# Altium PCB CU-ON-OFF-V2-08-11-18.PcbDoc (part 4 of 14)
Units mm, origin at the board's own origin, x right, y up, seen from the top; angles counter-clockwise.
Board outline 213 x 122.62 mm, 2 copper layers (Top Layer, Bottom Layer); 304 components, 53 nets, 991 pads, 702 vias.
Unrouted connection lines stored in the file: 1.
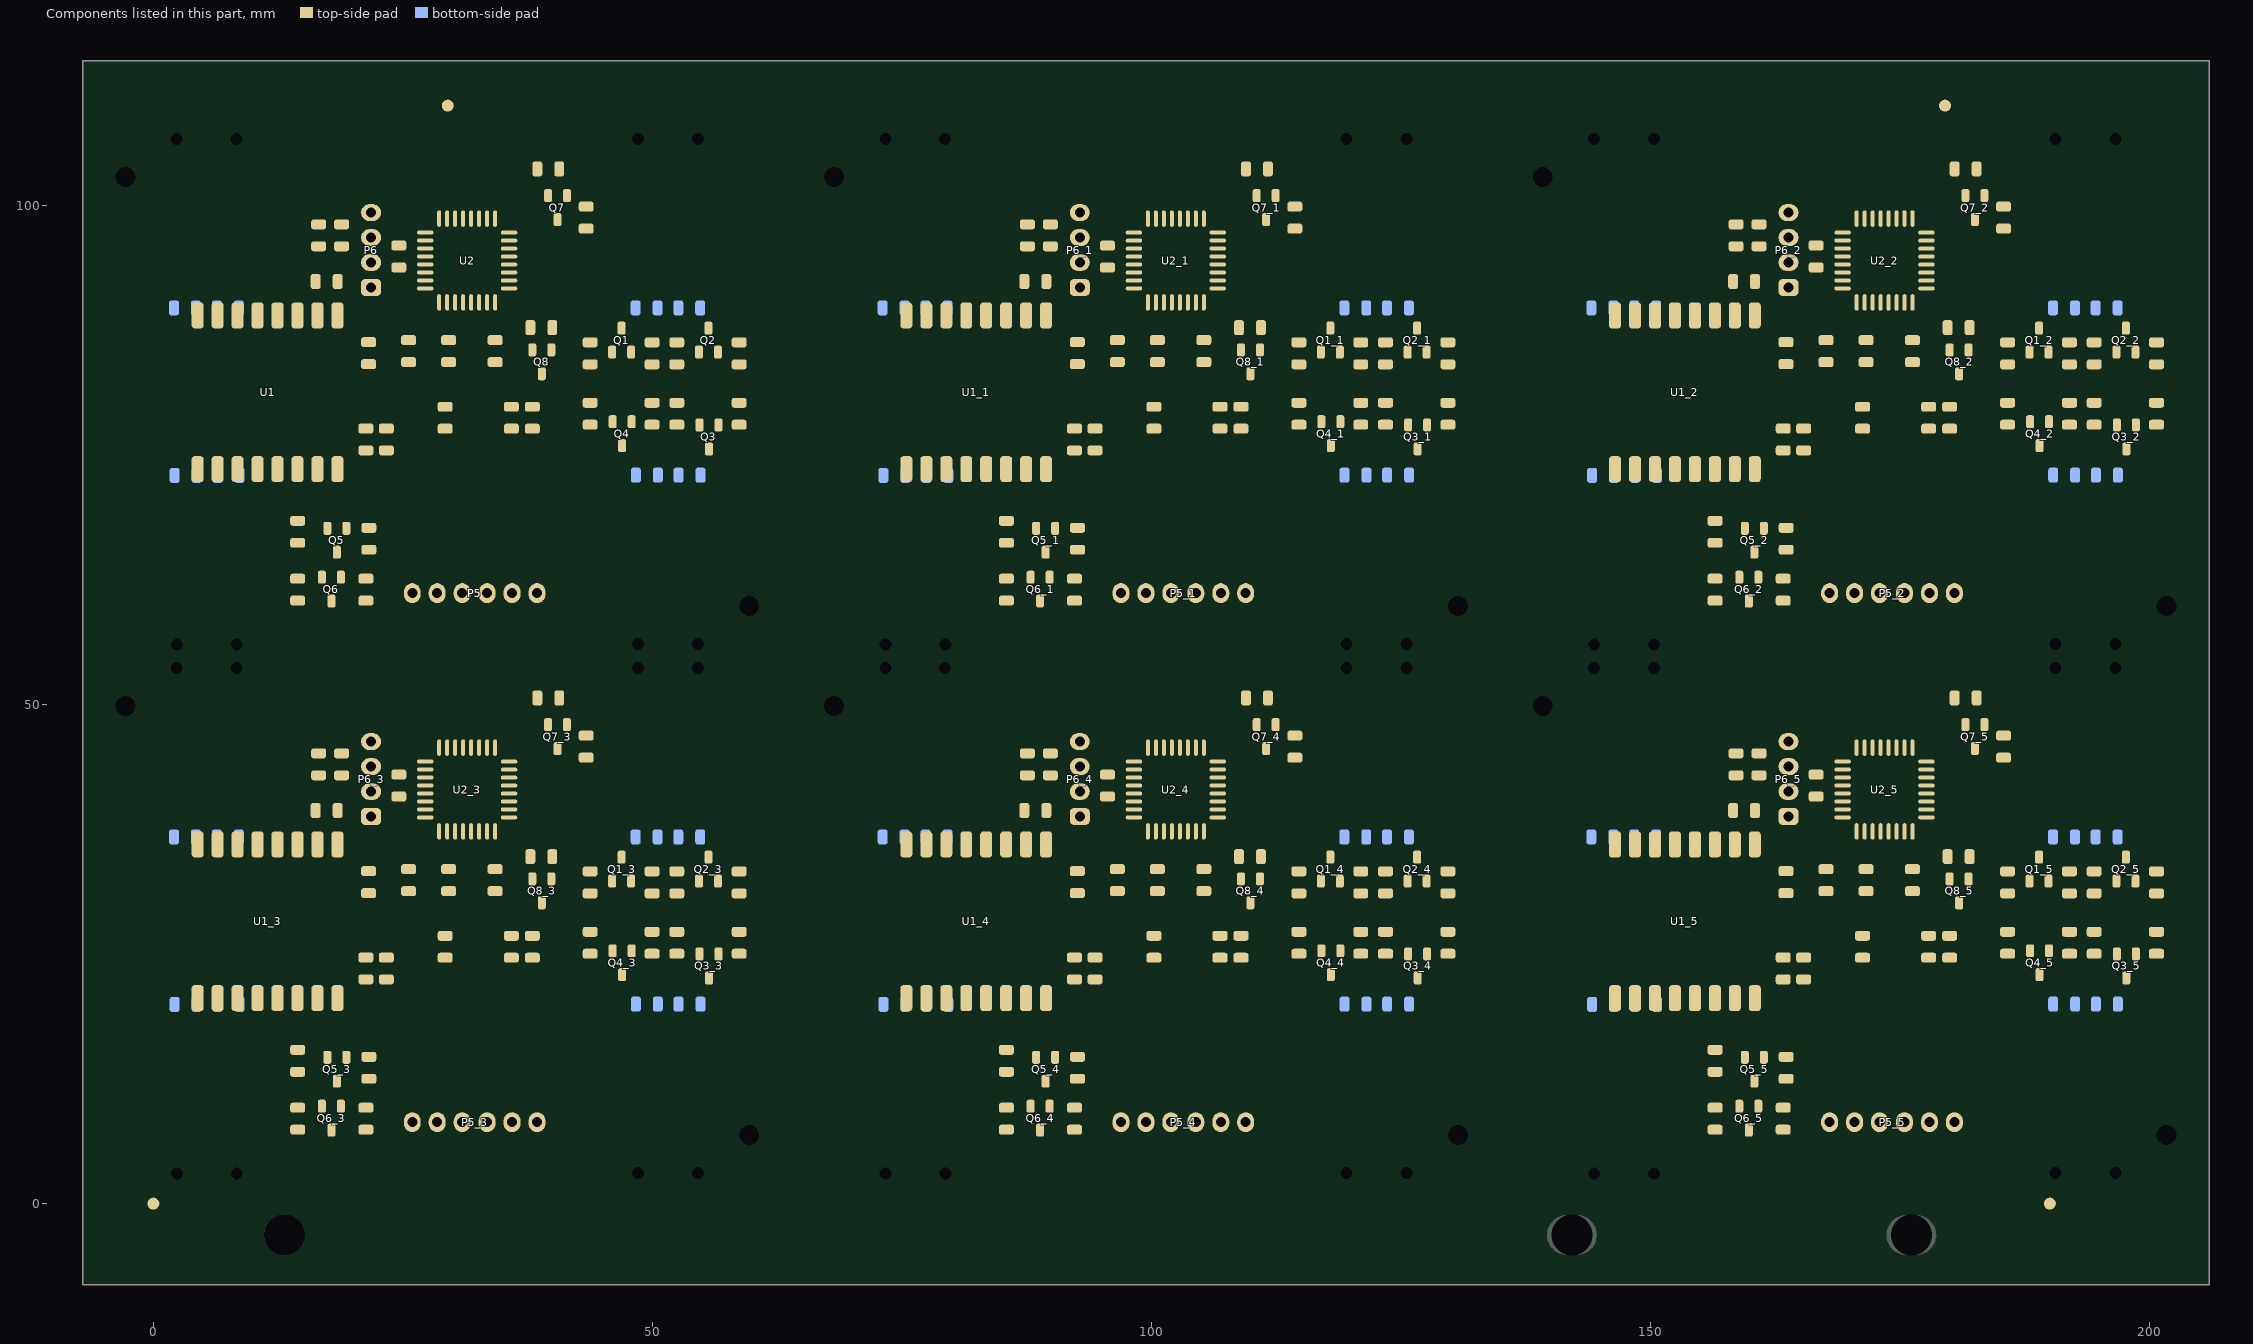
[diagram p4: the components of this part, seen from the top]

## Via types
v1: diameter 0.8, hole 0.5, Top Layer to Bottom Layer, 702 vias

## Nets (pads, with @x,y where several pads share a name; then routed paths per layer and width w, separated by ;. In a path a pad name is that pad's centre, name@x,y a point inside that pad or via, vN(x,y) a via of type N, cw(c..) or ccw(c..) an arc to the next point about the centre after c; other vN are vias at no path point) (continued)
copper on no net: (continued)
  Top Layer w0.4: v1@46.044,26.758 cw(c46.284,26.822) v1@46.131,27.018 ; 46.045,25.956 cw(c46.32,26.029) v1@46.137,26.247 ; 46.716,34.207 ccw(c46.837,34.328) 46.837,34.157 v1@47.816,34.157 ; 46.716,35.057 46.716,35.307 cw(c46.776,35.247) 46.776,35.332 v1@47.791,35.332 ; 46.716,87.206 ccw(c46.837,87.327) 46.837,87.156 47.816,87.156 ; 46.716,88.056 46.716,88.306 cw(c46.776,88.246) 46.776,88.331 47.791,88.331 ; 46.782,34.808 ccw(c47.13,35.195) 47.498,34.827 ; 46.791,23.182 50.545,23.182 ccw(c50.545,23.353) 50.666,23.232 ccw(c50.304,22.87) 50.304,23.382 46.966,23.382 ; 46.791,76.181 50.545,76.181 ccw(c50.545,76.352) 50.666,76.231 ccw(c50.304,75.869) 50.304,76.381 46.966,76.381 ; v1@46.917,20.984 ccw(c46.575,20.642) 46.575,21.125 ccw(c46.575,21.608) v1@46.917,21.266 ; 46.966,22.932 50.39,22.932 v1(50.458,23) ; 47.05,35.106 ccw(c47.413,35.508) v1(47.796,35.125) 47.378,34.707 ; v1(47.058,21.125) 46.073,21.125 43.766,23.432 ; 47.062,34.57 cw(c47.378,34.274) 47.378,34.707 ; 47.062,34.844 ccw(c47.378,35.141) 47.378,34.707 ; 47.091,22.507 47.106,22.507 cw(c47.106,22.422) 47.166,22.482 49.155,22.482 cw(c49.155,20.946) v1@50.241,22.032 ; 47.091,75.506 47.106,75.506 cw(c47.106,75.421) 47.166,75.481 49.155,75.481 cw(c49.155,73.945) 50.241,75.031 ; 47.107,22.791 cw(c47.449,22.449) 47.449,22.932 cw(c47.449,23.415) 47.107,23.073 ; 47.21,34.661 ccw(c46.791,35.387) v1@47.602,35.176 ; 47.291,22.682 49.623,22.682 cw(c49.623,21.914) v1@50.166,22.457 ; 47.291,75.681 49.623,75.681 cw(c49.623,74.913) 50.166,75.456 ; 47.443,34.796 ccw(c47.288,35.066) v1@47.597,35.102 ; 47.486,34.707 ccw(c47.486,35.237) v1@47.984,35.057 ; 47.548,34.707 cw(c47.548,34.233) v1@47.977,34.436 ; v1@47.596,35.125 cw(c47.113,35.125) 47.455,34.784 cw(c47.796,34.442) v1@47.796,34.925 ; v1@47.608,35.193 cw(c46.916,35.442) 46.916,34.707 ; v1@47.615,34.264 ccw(c46.916,33.933) 46.916,34.707 ; v1@47.717,30.516 ccw(c47.356,30.877) v1@47.866,30.877 ; v1@47.717,31.009 cw(c47.356,30.648) v1@47.866,30.648 ; v1@47.717,31.291 ccw(c47.356,31.652) 47.866,31.652 ; 47.725,31.916 cw(c47.383,31.574) 47.866,31.574 cw(c48.349,31.574) 48.007,31.916 ; 47.741,25.032 47.741,24.817 cw(c47.656,24.817) 47.716,24.757 ccw(c47.776,24.817) 47.776,24.732 49.741,24.732 ; 47.741,78.031 47.741,77.816 cw(c47.656,77.816) 47.716,77.756 ccw(c47.776,77.816) 47.776,77.731 49.741,77.731 ; v1@47.866,30.686 cw(c48.322,30.686) v1@47.999,31.009 ; v1@47.866,30.839 ccw(c48.322,30.839) v1@47.999,30.516 ; 47.866,31.614 ccw(c48.322,31.614) v1@47.999,31.291 ; v1@47.894,30.792 ccw(c48.134,30.728) v1@47.981,30.533 ; 47.916,25.332 49.666,25.332 ; 48.057,25.191 cw(c48.399,24.849) 48.399,25.332 cw(c48.399,25.815) 48.057,25.473 ; 48.101,78.005 49.382,78.005 cw(c49.382,77.922) 49.441,77.981 ; 48.166,25.757 ccw(c49.192,26.783) 49.192,25.332 49.666,25.332 ; 48.166,78.756 ccw(c49.192,79.782) 49.192,78.331 49.666,78.331 ; 48.182,41.644 cw(c48.558,41.269) v1@48.558,41.8 ; 48.231,41.693 ccw(c47.923,42) v1@48.358,42 ; 48.268,25.332 cw(c48.268,23.584) 49.504,24.82 ; 48.391,29.1 48.404,29.1 ccw(c48.404,30.319) 49.266,29.457 ccw(c48.904,29.819) 49.416,29.819 49.416,31.107 ; 48.391,82.099 48.404,82.099 ccw(c48.404,83.318) 49.266,82.456 ccw(c48.904,82.818) 49.416,82.818 49.416,84.106 ; 48.586,25.247 ccw(c48.48,24.852) 48.101,25.006 49.382,25.006 cw(c49.382,24.923) 49.441,24.982 ; v1(48.695,27.139) 48.788,27.232 49.966,27.232 ; v1@48.795,27.312 ccw(c49.013,27.69) 49.126,27.268 ; v1@48.836,26.997 cw(c49.403,26.43) 49.403,27.232 ; v1@48.868,27.039 cw(c49.326,26.774) 49.189,27.285 ; 49.233,25.332 cw(c49.233,24.549) 49.787,25.103 ; v1@49.316,34.357 cw(c49.075,34.116) 49.416,34.116 49.416,33.382 ; 49.316,87.356 cw(c49.075,87.115) 49.416,87.115 49.416,86.381 ; v1@49.454,34.322 cw(c48.528,33.222) 49.966,33.222 ; 49.504,27.02 ccw(c48.992,26.508) 48.992,27.232 ccw(c48.992,27.956) 49.504,27.444 ; v1@49.505,34.291 ccw(c49.711,34.777) v1@50.174,34.525 ; v1@49.508,15.425 ccw(c49.025,15.425) 49.367,15.766 ccw(c49.708,16.108) v1@49.708,15.625 ; v1@49.583,34.275 cw(c49.583,33.792) 49.924,34.134 cw(c50.266,34.475) v1@49.783,34.475 ; v1(49.583,34.475) 49.966,34.092 49.966,33.282 ; v1@49.676,15.228 cw(c49.581,14.642) v1@50.095,14.938 ; v1@49.708,15.225 cw(c49.708,14.742) 50.049,15.084 cw(c50.391,15.425) v1@49.908,15.425 ; v1@49.712,34.628 cw(c49.252,34.082) 49.966,34.082 ; 49.754,30.87 cw(c49.242,30.358) 49.966,30.358 cw(c50.69,30.358) 50.178,30.87 ; 49.754,33.494 ccw(c49.242,34.006) 49.966,34.006 ccw(c50.69,34.006) 50.178,33.494 ; 49.811,22.932 ccw(c49.811,23.647) v1@50.317,23.141 ; v1@49.899,15.234 ccw(c50.283,15.618) v1@50.283,15.075 ; v1@49.905,15.461 ccw(c50.459,15.561) v1@50.177,15.073 ; v1@49.959,15.174 cw(c49.661,14.875) v1@50.083,14.875 ; 49.966,25.032 49.666,25.332 ; 49.966,29.207 49.966,31.082 ; 49.966,33.219 cw(c51.394,33.219) v1@50.485,34.321 ; 49.966,34.068 cw(c50.694,34.068) v1@50.231,34.629 ; 50.516,31.007 50.516,29.996 ccw(c51.455,29.996) 50.791,29.332 ccw(c51.351,29.892) 51.351,29.1 51.816,29.1 ; 50.516,33.207 50.516,34.08 cw(c50.943,34.08) v1@50.641,34.382 ; 50.516,84.006 50.516,82.995 ccw(c51.455,82.995) 50.791,82.331 ccw(c51.351,82.891) 51.351,82.099 51.816,82.099 ; 50.516,86.206 50.516,87.079 cw(c50.943,87.079) 50.641,87.381 ; 51.066,29.1 cw(c51.066,28.238) 51.675,28.848 cw(c51.155,28.327) 51.891,28.327 51.891,27.382 ; 51.066,82.099 cw(c51.066,81.237) 51.675,81.847 cw(c51.155,81.326) 51.891,81.326 51.891,80.381 ; v1@52.027,30.332 ccw(c51.556,31.082) 52.441,31.082 ; v1@52.074,30.354 ccw(c51.872,31.014) 52.539,30.835 ; v1(52.133,30.163) 52.441,30.471 ; v1@52.148,30.362 ccw(c52.176,30.736) 52.441,30.471 ; 52.229,24.82 cw(c51.717,24.308) 52.441,24.308 cw(c53.165,24.308) 52.653,24.82 ; 52.229,27.444 ccw(c51.717,27.956) 52.441,27.956 ccw(c53.165,27.956) 52.653,27.444 ; 52.258,30.845 cw(c51.969,30.471) 52.441,30.471 ; v1@52.292,23.141 ccw(c51.931,23.502) 52.441,23.502 ; v1@52.332,30.178 cw(c52.706,30.206) 52.441,30.471 ; v1(52.433,23) 52.441,23.008 52.441,25.032 ; 52.441,23.464 ccw(c52.897,23.464) v1@52.574,23.141 ; 52.441,27.232 52.441,29.032 ; 52.441,30.531 ccw(c53.028,30.531) v1@52.846,29.973 ; 52.441,33.282 53.691,33.282 ; 52.616,32.982 53.367,32.982 cw(c53.367,31.718) 54.261,32.612 cw(c53.706,32.057) 54.491,32.057 ; 52.616,85.981 53.367,85.981 cw(c53.367,84.717) 54.261,85.611 cw(c53.706,85.056) 54.491,85.056 ; 52.624,30.845 ccw(c52.913,30.471) 52.441,30.471 ; 52.641,33.557 52.751,33.557 ; 52.641,86.556 52.751,86.556 ; 52.903,33.07 cw(c53.415,32.558) 53.415,33.282 cw(c53.415,34.006) 52.903,33.494 ; v1@52.97,30.353 cw(c53.207,31.082) 52.441,31.082 ; 53.898,33.075 ccw(c54.666,33.843) 54.666,32.757 ; 54.141,29.1 53.919,29.1 ; 54.141,82.099 53.919,82.099 ; v1@54.414,22.892 ccw(c54.936,23.225) 54.936,22.607 ; v1@54.416,22.335 cw(c54.922,22.001) 54.922,22.607 ; 54.575,25.398 ccw(c54.233,25.74) 54.716,25.74 ccw(c55.199,25.74) 54.857,25.398 ; v1@54.579,27.02 cw(c54.247,26.688) 54.716,26.688 ; v1@54.579,27.303 ccw(c54.247,27.635) v1@54.716,27.635 ; v1@54.579,27.795 cw(c54.247,27.463) v1@54.716,27.463 ; v1(54.583,22.225) 54.965,22.607 55.666,22.607 ; v1@54.583,22.425 ccw(c54.583,22.908) 54.924,22.566 ccw(c55.266,22.225) v1@54.783,22.225 ; v1@54.6,27.777 cw(c54.456,27.586) v1@54.686,27.524 ; 54.666,32.307 53.691,33.282 ; 54.666,32.882 ccw(c53.7,31.916) 53.7,33.282 53.691,33.282 ; 54.666,85.881 ccw(c53.7,84.915) 53.7,86.281 53.691,86.281 53.842,86.13 ccw(c54.866,87.155) 54.866,85.706 ccw(c54.685,85.706) 54.813,85.834 54.566,86.081 ccw(c53.419,84.934) 53.419,86.556 52.751,86.556 ; 54.716,26.669 cw(c55.212,26.669) v1@54.861,27.02 ; v1@54.716,27.444 cw(c55.212,27.444) v1@54.861,27.795 ; v1@54.716,27.654 ccw(c55.212,27.654) v1@54.861,27.303 ; v1@54.716,27.933 v1(54.72,27.937) ; v1@54.75,22.115 cw(c55.666,21.508) 55.666,22.607 cw(c55.666,23.692) v1@54.752,23.108 ; 55.416,34.332 55.416,34.228 ccw(c55.587,34.228) 55.466,34.107 ccw(c55.587,34.228) 55.587,34.057 v1@56.491,34.057 ; 55.416,35.082 55.416,35.347 cw(c55.501,35.347) 55.441,35.407 cw(c55.501,35.347) 55.501,35.432 v1@56.491,35.432 ; 55.416,87.331 55.416,87.227 ccw(c55.587,87.227) 55.466,87.106 ccw(c55.587,87.227) 55.587,87.056 56.491,87.056 ; 55.416,88.081 55.416,88.346 cw(c55.501,88.346) 55.441,88.406 cw(c55.501,88.346) 55.501,88.431 56.491,88.431 ; 55.525,22.466 ccw(c55.183,22.124) 55.183,22.607 ccw(c55.183,23.09) 55.525,22.748 ; 55.688,34.817 cw(c55.453,33.939) v1@56.297,34.276 ; 55.757,34.566 cw(c56.099,34.224) 56.099,34.707 cw(c56.099,35.19) 55.757,34.848 ; 56.177,34.707 ccw(c56.177,35.231) v1@56.672,35.06 ; 56.239,34.707 cw(c56.239,34.238) v1@56.665,34.433 ; v1@56.283,34.35 ccw(c55.8,34.35) 56.142,34.691 ccw(c56.483,35.033) v1@56.483,34.55 ; v1@56.294,35.19 cw(c55.616,35.424) 55.616,34.707 ; v1@56.301,34.267 ccw(c55.616,33.954) 55.616,34.707 ; v1@56.404,30.516 ccw(c56.012,30.909) v1@56.566,30.909 ; v1@56.404,31.009 cw(c56.012,30.617) v1@56.566,30.617 ; v1@56.404,31.291 ccw(c56.012,31.684) 56.566,31.684 ; 56.425,31.916 cw(c56.083,31.574) 56.566,31.574 cw(c57.049,31.574) 56.707,31.916 ; v1(56.483,34.35) 56.126,34.707 55.616,34.707 ; v1(56.545,30.375) v1@56.566,30.396 ; 56.566,25.282 ccw(c56.657,25.373) 56.657,25.244 58.229,25.244 cw(c57.717,25.756) 57.717,25.032 cw(c57.717,24.308) 58.229,24.82 57.251,24.82 ccw(c57.251,23.922) 56.616,24.557 59.12,24.557 ccw(c59.12,24.728) 59.241,24.607 59.241,25.182 59.241,25.432 ccw(c59.181,25.372) 59.181,25.457 56.666,25.457 ; v1@56.566,30.718 cw(c56.977,30.718) v1@56.686,31.009 ; v1@56.566,30.807 ccw(c56.977,30.807) v1@56.686,30.516 ; 56.566,31.582 ccw(c56.977,31.582) v1@56.686,31.291 ; 56.566,78.281 ccw(c56.657,78.372) 56.657,78.243 58.229,78.243 ; v1@56.59,30.716 cw(c56.861,30.789) v1@56.677,30.999 ; 56.616,25.007 56.641,25.032 58.691,25.032 ; 56.666,78.456 59.181,78.456 cw(c59.181,78.371) 59.241,78.431 59.241,78.181 59.241,77.606 cw(c59.12,77.727) 59.12,77.556 56.616,77.556 cw(c57.251,76.921) 57.251,77.819 58.229,77.819 ; 56.757,24.866 cw(c57.159,24.464) 57.159,25.032 ; 56.757,25.148 ccw(c57.038,25.43) 57.038,25.032 ; 56.916,29.1 56.994,29.1 ccw(c56.994,30.404) 57.916,29.482 ccw(c57.312,30.086) 58.166,30.086 58.166,31.032 ; 56.916,82.099 56.994,82.099 ccw(c56.994,83.403) 57.916,82.481 ccw(c57.312,83.085) 58.166,83.085 58.166,84.031 ; 56.991,29.1 58.569,29.1 cw(c58.569,28.185) v1@59.216,28.832 ; 56.991,82.099 58.569,82.099 cw(c58.569,81.184) 59.216,81.831 ; 57.175,29.1 57.818,29.1 cw(c57.818,27.994) 58.6,28.776 ; 57.175,82.099 57.818,82.099 cw(c57.818,80.993) 58.6,81.775 ; v1(57.42,27.139) 57.513,27.232 58.691,27.232 ; v1@57.52,27.312 ccw(c57.738,27.69) 57.851,27.268 ; v1@57.561,26.997 cw(c58.128,26.43) 58.128,27.232 ; v1@57.593,27.039 cw(c58.051,26.774) 57.914,27.285 ; 57.991,34.157 58.355,33.793 cw(c58.056,33.494) 58.479,33.494 ccw(c57.967,34.006) 58.691,34.006 ccw(c59.415,34.006) 58.903,33.494 ; v1@57.991,34.457 57.991,33.188 ccw(c58.247,33.188) 58.066,33.007 ccw(c58.126,33.067) 58.126,32.982 58.241,32.982 ; 57.991,87.156 58.355,86.792 cw(c58.056,86.493) 58.479,86.493 ; 57.991,87.456 57.991,86.187 ccw(c58.247,86.187) 58.066,86.006 ccw(c58.126,86.066) 58.126,85.981 58.241,85.981 ; 58.025,29.1 58.6,28.776 ; 58.025,82.099 58.6,81.775 ; v1@58.179,34.322 cw(c57.253,33.222) 58.691,33.222 ; 58.229,27.02 ccw(c57.717,26.508) 57.717,27.232 ccw(c57.717,27.956) 58.229,27.444 ; v1@58.308,34.275 cw(c58.308,33.792) 58.649,34.134 cw(c58.991,34.475) v1@58.508,34.475 ; v1(58.308,34.475) 58.691,34.092 58.691,33.282 ; v1@58.437,34.628 cw(c57.977,34.082) 58.691,34.082 ; 58.566,31.332 cw(c58.626,31.332) 58.584,31.375 58.989,31.375 ; 58.566,84.331 cw(c58.626,84.331) 58.584,84.374 58.989,84.374 ; 58.691,33.219 cw(c60.119,33.219) 59.21,34.321 ccw(c59.558,33.973) 59.066,33.973 59.066,33.482 ; 58.691,34.068 cw(c59.419,34.068) v1@58.956,34.629 ; 58.783,30.99 cw(c57.819,30.025) v1@59.183,30.025 ; 58.893,30.994 ccw(c59.18,31.521) 59.605,31.097 ; 59.041,32.982 59.316,32.982 ccw(c59.135,33.163) 59.391,33.163 v1@59.391,34.482 ; 59.041,85.981 59.316,85.981 ccw(c59.135,86.162) 59.391,86.162 59.391,87.481 ; 59.066,86.481 59.066,86.971 cw(c59.558,86.971) 59.21,87.32 ; 59.17,30.888 cw(c59.59,30.53) 59.59,31.082 ; 59.17,31.276 ccw(c59.59,31.634) 59.59,31.082 ; v1@59.217,28.959 ccw(c58.875,28.617) 58.875,29.1 ccw(c58.875,29.583) v1@59.217,29.241 ; v1@59.22,29.245 ccw(c58.888,29.596) 59.371,29.583 ccw(c59.854,29.57) v1@59.503,29.238 ; 59.229,30.997 ccw(c59.816,30.823) v1@59.383,30.39 ; v1@59.234,30.158 ccw(c58.969,30.396) 59.277,30.573 ; v1@59.238,29.887 cw(c58.887,29.555) 59.37,29.542 cw(c59.853,29.529) v1@59.521,29.88 ; v1@59.575,28.901 59.5,28.801 59.3,28.776 58.6,28.776 ; 59.575,81.9 59.5,81.8 59.3,81.775 58.6,81.775 ; 77.041,36.982 cw(c77.463,36.982) 77.165,37.281 77.441,37.557 ; 77.041,89.981 cw(c77.463,89.981) 77.165,90.28 77.441,90.556 ; 77.179,36.985 ccw(c76.684,37.557) 77.441,37.557 ; 77.179,89.984 ccw(c76.684,90.556) 77.441,90.556 ; 77.691,35.982 77.441,36.232 77.441,37.557 ; 77.691,88.981 77.441,89.231 77.441,90.556 ; 77.703,36.985 cw(c78.198,37.557) 77.441,37.557 ; 77.703,89.984 cw(c78.198,90.556) 77.441,90.556 ; 77.841,36.882 77.841,37.356 cw(c79.292,37.356) 78.266,38.382 ; 77.841,89.881 77.841,90.355 cw(c79.292,90.355) 78.266,91.381 ; 79.041,19.982 79.041,18.881 ccw(c80.065,18.881) 79.341,18.157 ccw(c79.884,18.7) 79.884,17.932 80.921,17.932 ; 79.041,36.957 cw(c80.127,36.957) 79.359,37.725 79.441,37.807 ; 79.041,72.981 79.041,71.88 ccw(c80.065,71.88) 79.341,71.156 ccw(c79.884,71.699) 79.884,70.931 80.921,70.931 ; 79.041,89.956 cw(c80.127,89.956) 79.359,90.724 79.441,90.806 ; 79.158,19.599 cw(c78.475,18.916) 79.441,18.916 cw(c80.407,18.916) 79.724,19.599 ; 79.158,36.965 ccw(c78.475,37.648) 79.441,37.648 ccw(c80.407,37.648) 79.724,36.965 ; 79.158,72.598 cw(c78.475,71.915) 79.441,71.915 cw(c80.407,71.915) 79.724,72.598 ; 79.158,89.964 ccw(c78.475,90.647) 79.441,90.647 ccw(c80.407,90.647) 79.724,89.964 ; v1@79.283,48.85 ccw(c79.283,49.273) v1@79.582,48.974 ; v1@79.283,101.849 ccw(c79.283,102.272) v1@79.582,101.973 ; v1@79.308,13.825 ccw(c79.308,14.248) v1@79.607,13.949 ; v1@79.308,66.824 ccw(c79.308,67.246) v1@79.607,66.948 ; v1@79.34,13.683 82.74,17.082 100.266,17.082 102.041,18.857 102.041,37.282 ; v1@79.34,66.682 82.74,70.081 100.266,70.081 102.041,71.856 102.041,90.281 ; v1@79.346,48.838 ccw(c79.049,49.352) v1@79.636,49.257 ; v1@79.346,101.837 ccw(c79.049,102.351) v1@79.636,102.256 ; v1@79.371,13.813 ccw(c79.074,14.327) v1@79.661,14.232 ; v1@79.371,66.812 ccw(c79.074,67.326) v1@79.661,67.231 ; v1@79.481,48.756 cw(c79.969,48.474) v1@79.869,49.028 ; v1@79.481,101.755 cw(c79.969,101.473) v1@79.869,102.027 ; v1@79.506,13.731 cw(c79.994,13.449) v1@79.894,14.003 ; v1@79.506,66.73 cw(c79.994,66.448) v1@79.894,67.002 ; v1@79.508,13.625 cw(c80.051,13.625) v1@79.667,14.009 ; v1@79.508,66.624 cw(c80.051,66.624) v1@79.667,67.008 ; v1@79.633,49.225 cw(c79.15,49.225) 79.492,48.884 cw(c79.833,48.542) v1@79.833,49.025 ; v1@79.633,102.224 cw(c79.15,102.224) 79.492,101.883 cw(c79.833,101.541) v1@79.833,102.024 ; v1@79.642,49.034 ccw(c80.026,48.65) 79.483,48.65 v1(79.833,49.225) 82.04,51.432 102.491,51.432 103.641,50.282 103.641,45.682 ; v1@79.642,102.033 ccw(c80.026,101.649) 79.483,101.649 v1(79.833,102.224) 82.04,104.431 102.491,104.431 103.641,103.281 103.641,98.681 ; v1@79.658,14.2 cw(c79.175,14.2) 79.517,13.859 cw(c79.858,13.517) v1@79.858,14 ; v1@79.658,67.199 cw(c79.175,67.199) 79.517,66.858 cw(c79.858,66.516) v1@79.858,66.999 ; 79.691,20.582 79.441,20.332 79.441,18.582 80.091,17.932 88.891,17.932 ; 79.691,35.982 79.441,36.232 79.441,37.807 ; 79.691,73.581 79.441,73.331 79.441,71.581 80.091,70.931 88.891,70.931 ; 79.691,88.981 79.441,89.231 79.441,90.806 ; v1@79.833,49.425 ccw(c79.833,49.908) 80.174,49.566 ccw(c80.516,49.225) v1@80.033,49.225 ; v1@79.833,102.424 ccw(c79.833,102.907) 80.174,102.565 ccw(c80.516,102.224) v1@80.033,102.224 ; 79.841,20.157 79.841,18.73 ccw(c80.438,18.73) 80.016,18.307 ccw(c80.921,19.212) 80.921,17.932 ; 79.841,36.557 79.841,37.9 cw(c80.22,37.9) 79.952,38.168 cw(c80.891,37.229) 80.891,38.557 ; 79.841,73.156 79.841,71.728 ccw(c80.438,71.728) 80.016,71.306 ccw(c80.921,72.211) 80.921,70.931 ; 79.841,89.556 79.841,90.899 cw(c80.22,90.899) 79.952,91.167 cw(c80.891,90.228) 80.891,91.556 ; v1@79.858,14.4 ccw(c79.858,14.883) 80.199,14.541 ccw(c80.541,14.2) v1@80.058,14.2 ; v1@79.858,67.399 ccw(c79.858,67.882) 80.199,67.54 ccw(c80.541,67.199) v1@80.058,67.199 ; v1@80.766,33.632 ccw(c80.102,34.296) 81.041,34.296 81.041,35.132 ; v1@80.766,86.631 ccw(c80.102,87.295) 81.041,87.295 81.041,88.131 ; v1@80.9,33.648 ccw(c79.592,34.956) 81.441,34.956 ; v1@80.9,86.647 ccw(c79.592,87.955) 81.441,87.955 ; 81.041,21.357 81.041,22.716 cw(c82.407,22.716) 81.441,23.682 ; 81.041,74.356 81.041,75.715 cw(c82.407,75.715) 81.441,76.681 ; 81.158,21.565 ccw(c80.475,22.248) 81.441,22.248 ccw(c82.407,22.248) 81.724,21.565 ; 81.158,34.999 cw(c80.475,34.316) 81.441,34.316 cw(c82.407,34.316) 81.724,34.999 ; 81.158,74.564 ccw(c80.475,75.247) 81.441,75.247 ccw(c82.407,75.247) 81.724,74.564 ; 81.158,87.998 cw(c80.475,87.315) 81.441,87.315 cw(c82.407,87.315) 81.724,87.998 ; v1@81.182,33.366 ccw(c80.558,33.99) 81.441,33.99 ; v1@81.182,86.365 ccw(c80.558,86.989) 81.441,86.989 ; v1@81.222,33.443 cw(c81.694,33.199) v1@81.89,33.693 ; v1@81.222,86.442 cw(c81.694,86.198) v1@81.89,86.692 ; 81.316,17.932 80.921,17.932 ; 81.316,70.931 80.921,70.931 ; v1@81.416,33.482 81.441,33.457 81.441,35.982 ; v1@81.416,86.481 81.441,86.456 81.441,88.981 ; 81.441,33.929 ccw(c82.238,33.929) v1@81.674,33.366 ; 81.441,34.895 ccw(c83.204,34.895) v1@81.957,33.648 ; 81.441,86.928 ccw(c82.238,86.928) v1@81.674,86.365 ; 81.441,87.894 ccw(c83.204,87.894) v1@81.957,86.647 ; 81.641,22.732 81.641,23.53 cw(c82.068,23.53) 81.766,23.832 ; 81.641,75.731 81.641,76.529 cw(c82.068,76.529) 81.766,76.831 ; 81.691,20.582 81.441,20.832 81.441,23.682 ; 81.691,73.581 81.441,73.831 81.441,76.681 ; 81.841,21.482 81.841,23.233 cw(c83.889,23.233) 82.441,24.682 ; 81.841,35.307 81.841,34.236 ccw(c82.694,34.236) v1@82.091,33.632 ; 81.841,74.481 81.841,76.232 cw(c83.889,76.232) 82.441,77.681 ; 81.841,88.306 81.841,87.235 ccw(c82.694,87.235) v1@82.091,86.631 ; 83.041,21.307 ccw(c82.981,21.367) 83.066,21.367 83.066,22.582 cw(c84.454,22.582) 83.473,23.564 83.916,24.007 ; 83.041,36.882 83.041,36.991 cw(c84.407,36.991) 83.441,37.957 ; 83.041,74.306 ccw(c82.981,74.366) 83.066,74.366 83.066,75.581 cw(c84.454,75.581) 83.473,76.563 83.916,77.006 ; 83.041,89.881 83.041,89.99 cw(c84.407,89.99) 83.441,90.956 ; 83.158,21.565 ccw(c82.475,22.248) 83.441,22.248 ccw(c84.407,22.248) 83.724,21.565 ; 83.158,36.965 ccw(c82.475,37.648) 83.441,37.648 ccw(c84.407,37.648) 83.724,36.965 ; 83.158,74.564 ccw(c82.475,75.247) 83.441,75.247 ccw(c84.407,75.247) 83.724,74.564 ; 83.158,89.964 ccw(c82.475,90.647) 83.441,90.647 ccw(c84.407,90.647) 83.724,89.964 ; 83.641,22.732 83.641,23.449 cw(c84.324,23.449) 83.841,23.932 ; 83.641,75.731 83.641,76.448 cw(c84.324,76.448) 83.841,76.931 ; 83.691,20.582 83.441,20.832 83.441,23.532 87.674,27.765 94.249,27.765 95.016,28.532 95.016,32.932 ; 83.691,35.982 83.441,36.232 83.441,37.957 ; 83.691,73.581 83.441,73.831 83.441,76.531 87.674,80.764 94.249,80.764 95.016,81.531 95.016,85.931 ; 83.691,88.981 83.441,89.231 83.441,90.956 ; 83.841,21.332 83.841,23.225 cw(c85.548,23.225) 84.341,24.432 ; 83.841,36.982 83.841,37.897 cw(c84.951,37.897) 84.166,38.682 ; 83.841,74.331 83.841,76.224 cw(c85.548,76.224) 84.341,77.431 ; 83.841,89.981 83.841,90.896 cw(c84.951,90.896) 84.166,91.681 ; 83.866,8.857 83.866,8.807 ccw(c84.966,8.807) 84.966,7.707 ; 83.866,13.657 83.866,13.837 cw(c85.136,13.837) 85.136,15.107 85.616,15.107 ; 83.866,61.856 83.866,61.806 ccw(c84.966,61.806) 84.966,60.706 ; 83.866,66.656 83.866,66.836 cw(c85.136,66.836) 85.136,68.106 85.616,68.106 ; 83.916,14.782 cw(c84.821,13.877) 85.141,15.117 ; 83.916,67.781 cw(c84.821,66.876) 85.141,68.116 ; 84.411,15.277 cw(c85.024,14.664) 85.241,15.504 ; 84.411,68.276 cw(c85.024,67.663) 85.241,68.503 ; v1@84.791,10.657 84.791,9.457 ccw(c84.941,9.457) 84.941,9.307 ; v1@84.791,12.132 cw(c84.791,12.157) 84.766,12.157 84.766,13.382 